# Altium PCB PCBV3.PcbDoc (continued)
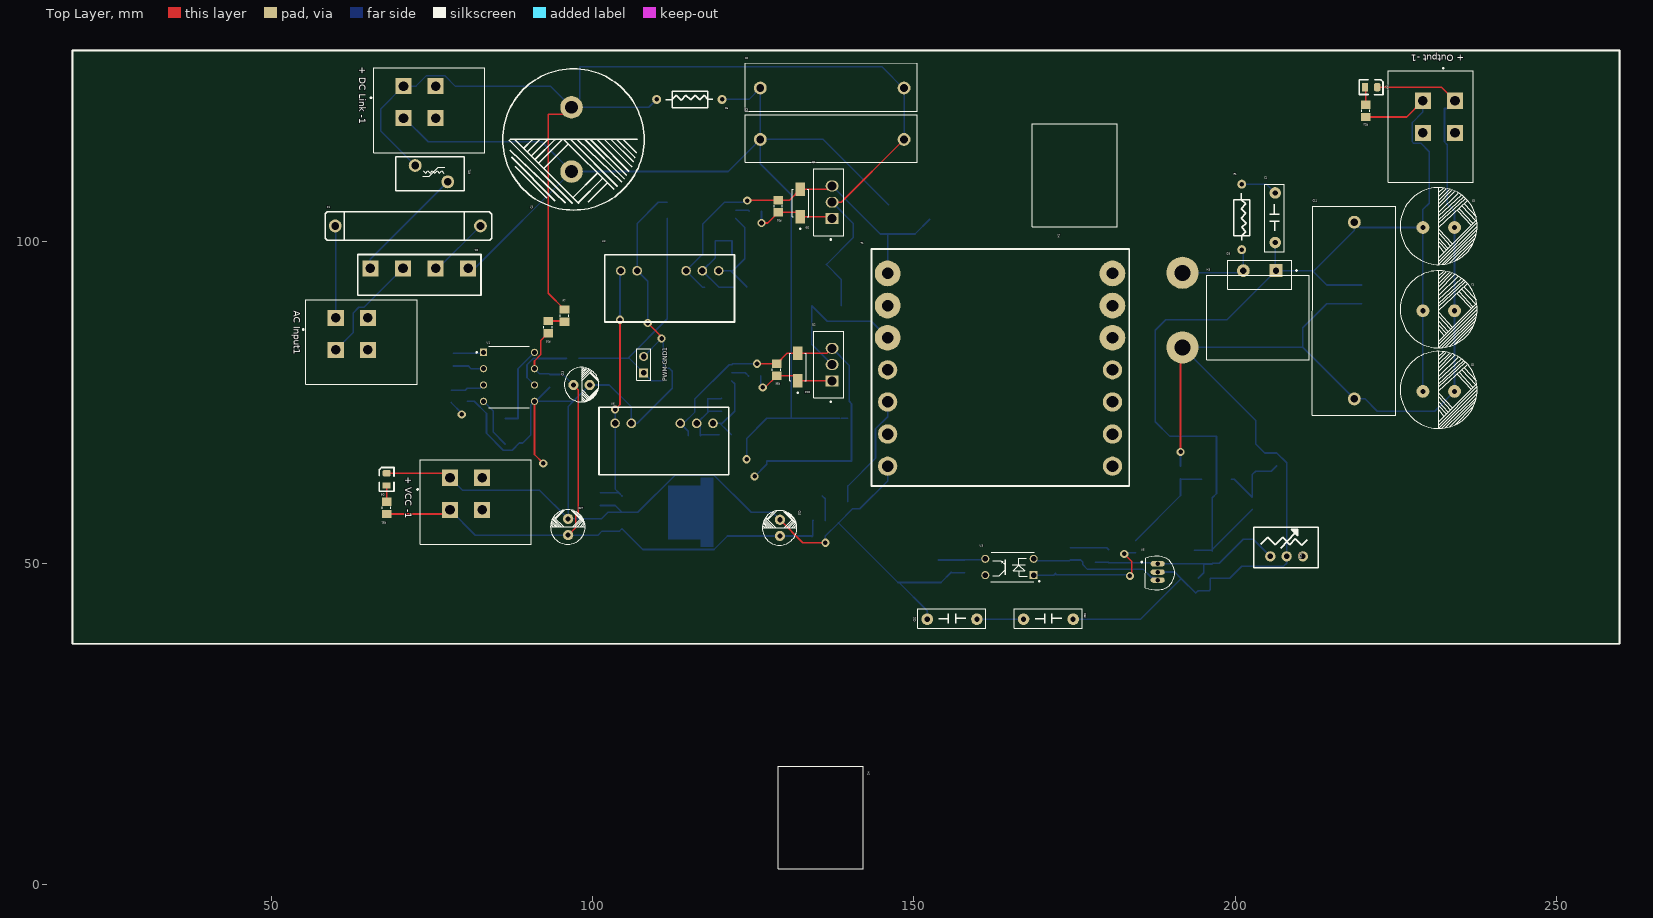
[diagram p0: Top Layer view]
## Footprints (in the part's own frame and the unit in brackets; to place one, negate y for a bottom-side part, rotate by r counter-clockwise, add the part's x,y. Pads: shape width x height; smd on the part's side, far side on the other; paste and mask are expansions set on the pad) (continued)
  rect 1x1 smd paste-1 mask+0: 2(4.4,-1)
  Top Layer region: 7.625,-5.4 5.715,-5.4 5.715,-4.165 0.635,-4.165 0.635,4.165 5.715,4.165 5.715,5.4 7.625,5.4
  silkscreen extent -8.72,-5.08 5.4,5.08, body extent -7.18,-5.08 7.18,5.08, height 4.65
"Linear Regulator Isolated Module DC-DC DIP 02" [mm]
  round 1.5 hole 1: 1(0,0) 2(2.54,0) 5(10.16,0) 6(12.7,0) 7(15.24,0)
  silkscreen extent -2.5,-7.98 17.7,2.52, body extent -2.3,-7.46 17.46,2.6, height 12.75
"MOSFET DIP TO-220" [mm]
  rect 1.7x2 hole 1.4: 1(-2.54,0)
  oval 1.7x2 hole 1.4: 2(0,0) 3(2.54,0)
  silkscreen extent -5.89,-1.81 5.18,2.89, body extent -5.16,-1.63 5,2.92, height 19.65
"NTC Thermistor DIP 01" [mm]
  round 2 hole 1.2: 1(-3.674,0) 2(1.397,-2.54)
  silkscreen extent -6.22,-3.94 4.45,1.4, body extent -5.64,-3.41 3.36,0.89, height 11.8
"Optoisolators DIP 01" [mm]
  rect 1.26x1.26 hole 0.84: 1(1.27,0)
  round 1.26 hole 0.84: 2(1.27,-2.54) 3(8.8,-2.54) 4(8.8,0)
  silkscreen extent 0.31,-3.56 7.95,1.07, body extent 1.13,-3.7 9.01,0.89, height 4.3
"Phoenix Contact 2x2 Male Straight" [mm]
  rect 2.5x2.5 hole 1.5: 1(3.825,-5.675) 2(3.825,-0.675) ""(-1.175,-0.675) ""(-1.175,-5.675)
  silkscreen extent -8.85,-8.5 8.97,4.7, body extent -8.62,-8.67 8.37,4.53, height 16.49
"PWM Controller UC3844 DIP 01" [mm]
  rect 1.13x1.13 hole 0.78: 1(-3.97,3.81)
  round 1.13 hole 0.78: 2(-3.97,1.27) 3(-3.97,-1.27) 4(-3.97,-3.81) 5(3.97,-3.81) 6(3.97,-1.27) 7(3.97,1.27) 8(3.97,3.81)
  silkscreen extent -5.13,-4.79 3.17,4.79, body extent -4.1,-4.54 4.1,5.05, height 5.08
"Resistor DIP 0.25W 01" [mm]
  round 1.4 hole 0.7: 1(-5.093,0) 2(5.093,0)
  silkscreen extent -3.7,-1.27 3.63,1.27, body extent -5.4,-1.16 5.37,1.16, height 2.93
"Resistor SMD 805" [mm]
  rect 1.3x1.5 smd: 1(-0.95,0) 2(0.95,0)
  silkscreen extent -0.15,-0.65 0.15,0.65, body extent -1,-0.62 1,0.62, height 0.6
"Resistor SMD 1206" [mm]
  rect 1.13x1.77 smd: 1(-1.47,0) 2(1.47,0)
  silkscreen extent -0.58,-0.88 0.58,0.88, body extent -1.63,-0.77 1.57,0.83, height 0.55
"Resistor SMD 1206 MELF 01" [mm]
  rect 1.3x1.5 smd: 1(-0.95,0) 2(0.95,0)
  silkscreen extent -0.15,-0.65 0.15,0.65, body extent -1.13,-0.58 1.07,0.52, height 1.1
"Resistor SMD 2512" [mm]
  rect 1.45x2.9 smd: 1(-3.325,0) 2(3.325,0)
  silkscreen extent -2.28,-1.6 2.28,1.6, body extent -3.23,-1.6 3.17,1.6, height 0.6
"Resistor Variable DIP 02" [mm]
  round 1.6 hole 0.85: 1(-2.54,0) 2(0,0) 3(2.54,0)
  silkscreen extent -5.08,-1.79 4.92,4.52, body extent -4.76,-1.9 4.76,4.19, height 12.56
"TL431 DIP" [mm]
  oval 0.85x2.2 hole 0.7: 1(-1.27,0) 2(0.025,0) 3(1.27,0)
  silkscreen extent -2.43,-2.59 2.78,2.68, body extent -2.41,-1.37 2.41,2.31, height 7.84
"Transformer EE42/21/20" [mm]
  round 4 hole 1.8: 1(0,0) 2(0,-10) ""(0,-5) ""(35,-10) ""(35,-5) ""(35,0)
  round 3 hole 1.8: 3(0,-20) 4(0,-30) ""(0,-25) ""(0,-15) ""(35,-15) ""(35,-30) ""(35,-25) ""(35,-20)
  round 5 hole 2.5: 5(45.9,0.1) 6(45.9,-11.5)
  silkscreen extent -2.5,-33.09 37.61,3.82, body extent -4.3,-38.9 37.9,3.3, height 33.24

## Part data
"+ DC Link -1" "+ Output -1" "+ VCC -1" "AC Input1" PWM-GND1: library part "Contact-Phoenix 2x", "Contact-Phoenix 2x", Color=Green, Current=15A, Current Rating=17.5A, Flammability Rating="UL94 V-0", Manufacturer="Phoenix Contact", Manufacturer Part Number=1715721, Max Current Rating=22A, Max Operating Temperature=100°C, Max Supply Voltage=250V, Min Operating Temperature=-20°C, Package Quantity=50, Supplier Part Number 1=277-1263-ND, Test Voltage=4kV, Voltage=300V, Voltage Rating=400V, Approvals=UL,CSA,cULus,EAC, Category="Terminal Blocks", ComponentLink1Description=https://datasheet.ciiva.com/16046/1715721-16046034.pdf?src-supplier=Onlinecomponents.com, ComponentLink1URL=https://datasheet.ciiva.com/16046/1715721-16046034.pdf?src-supplier=Onlinecomponents.com, ComponentLink2Description=https://datasheet.ciiva.com/1120/1697161-1120393.pdf?src-supplier=Farnell, ComponentLink2URL=https://datasheet.ciiva.com/1120/1697161-1120393.pdf?src-supplier=Farnell, ComponentLink3Description=https://datasheet.ciiva.com/15169/getdatasheetpartid-212174-15169929.pdf?src-supplier=Verical, ComponentLink3URL=https://datasheet.ciiva.com/15169/getdatasheetpartid-212174-15169929.pdf?src-supplier=Verical, ComponentLink4Description=https://datasheet.ciiva.com/832/1715721-832095.pdf?src-supplier=Digi-Key, ComponentLink4URL=https://datasheet.ciiva.com/832/1715721-832095.pdf?src-supplier=Digi-Key, Connector Type="Screw,Terminal Block,PCB", Contact Material=Tin, Depth=9.8mm, Height=17.3mm, Housing Color=Green, Housing Material=Polyamide, Insulation Material=Nylon, Lead Free="Lead Free", Length=10.16mm, Mount="Through Hole", Number of Circuits=2, Number of Contacts=2, Number of Levels=1, Number of Pins=2, Number of Poles=2, Number of Positions=2, Number of Positions Per Level=2, Number of Rows=1, Orientation=Straight, Packaging=Bulk, Pitch=5.08mm, Pricing 1="1=1.39000, 10=1.33400, 50=1.27600, 100=1.24120, 250=1.16000, 500=1.06720, 1000=0.98600, 2500=0.93960, 5000=0.89320 (USD)", Radiation Hardening=No, REACH SVHC="No SVHC", RoHS=Yes, RoHS Compliant=Yes, Series=MKDS, Stock 1=4962, Stripping Length=7mm, Supplier 1=Digi-Key, Termination=Screw, Voltage Rating (AC)=250V, Weight=0.103705oz, Width=17.3mm, Wire Gauge (Max)=26AWG, Wire Gauge (Min)=26AWG, Wire/Cable Gauge=14AWG
C1 C2 C3 C8 C9 C10 C11 C12 C14 C16 C17 C18 C19 C20 C21 C22 C23 C24 C25 C26 C28 C29 C30 C31 C32 C33 C34 C35 C36 C37: library part "Capacitors Non-Electrolytic", "Ceramic & Polyester Capacitor"
C4 C5 C6 C7 C13 C15 C27: library part "Capacitors Electrolytic", "Aluminum Electrolytic Capacitors", Package="Radial Nichicon", Supplier Part Number 1=1189-2012-ND, Availability=Unavailable, MF=Nichicon, MP=UVR2A471MHD, Price=None, SnapEDA_Link=https://www.snapeda.com/parts/UVR2A471MHD/Nichicon/view-part/2302933/?ref=snap, Supplier 1=Digi-Key
D1: library part "Single Phase Bridge Rectifier", "Bridge Rectifier Single Phase Standard", Supplier Part Number 1=6113720, DatasheetVersion=E2732B, LatestRevisionDate=29-May-2009, LatestRevisionNote="Sch pins A & K swapped.", PackageDescription="Bridge Rectifier; 4 Terminals; Body 9.4 x 9.4 mm (typ); Pitch 5.08 mm", PackageReference=D-38, Published=8-Jun-2000, Publisher="Altium Limited", Supplier 1="Future Electronics"
D2 D3 D4 D5: library part Diode, "Through Hole & SMD Diode", ComponentLink1Description="Manufacturer Link", ComponentLink1URL=http://www.irf.com/, DatasheetVersion=Aug-1984, LatestRevisionDate=17-Jul-2002, LatestRevisionNote="Re-released for DXP Platform.", PackageDescription="Diode, Axial; Body 9.5 x 5.3 mm (LxDia. max), Lead Dia. 1.32 mm (max)", PackageReference=DO-201AD, Published=8-Jun-2000, Publisher="Altium Limited"
D6 D9 D10: library part "Diode Zener", "Through Hole & SMD Zener Diode", ComponentLink1Description="Manufacturer Link", ComponentLink1URL=http://www.irf.com/, ComponentLink2Description=Datasheet, ComponentLink2URL=http://www.irf.com/product-info/datasheets/data/18tq.pdf, DatasheetVersion=Dec-1997, LatestRevisionDate=17-Jul-2002, LatestRevisionNote="Re-released for DXP Platform.", Note="Terminal 2 is the TAB and is electrically connected to the cathode", PackageDescription="TO, Thru-Hole, Vertical, Heatsink Mounted; 3 In-Line Leads (1 Absent); Pitch 2.54 mm", PackageReference=TO-220AC, PackageVersion=Feb-1998, Published=8-Jun-2000, Publisher="Altium Limited"
D7 D8: library part LED, "Typical RED, GREEN, YELLOW, AMBER GaAs LED", LatestRevisionDate=17-Jul-2002, LatestRevisionNote="Re-released for DXP Platform.", PackageDescription="SM LED; 2 Flat Leads", PackageReference=3.2X1.6X1.1, PackageVersion=Feb-2002, Published=8-Jun-2000, Publisher="Altium Limited"
F1: library part Fuse, "Fuse, Circuit Protection", Supplier Part Number 1=031501.2HXP-ND, LatestRevisionDate=17-Jul-2002, LatestRevisionNote="Re-released for DXP Platform.", PackageDescription="Thru-Hole; 2 Leads", PackageReference=PIN-W2/E2.8, Published=8-Jun-2000, Publisher="Altium Limited", Supplier 1=Digi-Key
H1 H2 H3: library part "Heat Sink", "Heat Sink TO-220 Aluminum 20.0W @ 60°C Board Level, Vertical", Package=None, Availability="In Stock", Check_prices=https://www.snapeda.com/parts/530002B02500G/Aavid+Thermalloy/view-part/?ref=eda, MF="Aavid Thermalloy", MP=530002B02500G, Price=None, Purchase-URL=https://pricing.snapeda.com/search/part/530002B02500G/?ref=eda, SnapEDA_Link=https://www.snapeda.com/parts/530002B02500G/Aavid+Thermalloy/view-part/?ref=snap
Q1 Q2: library part "Transistor MOSFET", "N-Channel MOSFET", Package="SC-59 ON Semiconductor", Availability=Good, Check_prices=https://www.snapeda.com/parts/FDN360P/ON%20Semiconductor/view-part/2105995/?ref=eda, MF="ON Semiconductor", MP=FDN360P, Price=None, Purchase-URL=https://pricing.snapeda.com/search/part/FDN360P/?ref=eda, SnapEDA_Link=https://www.snapeda.com/parts/FDN360P/ON%20Semiconductor/view-part/2105995/?ref=snap
Q3: library part "Transistor BJT", "NPN General Purpose BJT", ComponentLink1Description="Manufacturer Link", ComponentLink1URL=http://www.fairchildsemi.com/, ComponentLink2Description=Datasheet, ComponentLink2URL=http://www.fairchildsemi.com/ds/2N%2F2N3904.pdf, DatasheetVersion=1997, LatestRevisionDate=15-Jan-2003, LatestRevisionNote="PCB Footprint 'BCY-W3/D4.7' replaced", PackageDescription="TO, Flat Index; 3 In-Line, Axial Leads; Body Dia. 4.5mm; Leads 0.51 x 0.48 mm (max)", PackageReference=TO-92A, PackageVersion=Sep-1998, Published=8-Jun-2000, Publisher="Altium Limited"
R1 R2 R3 R4 R5 R6 R7 R8 R9 R10 R11 R12 R13 R14 R15 R16 R17 R18 R19 R20 R21 R22 R23 R24 R25 R26 R27 R29 R30 R31 R32 R33 R34 R35 R36: library part Resistor, "Through Hole & SMD", LatestRevisionDate=17-Jul-2002, LatestRevisionNote="Re-released for DXP Platform.", PackageDescription="Axial Device, Thru-Hole; 2 Leads; 0.3 in Pin Spacing", PackageReference=AXIAL-0.3, Published=8-Jun-2000, Publisher="Altium Limited"
R28: library part "Resistor Variable", "Trimmer Potentiometer Cermet Top Adjustment", Supplier Part Number 1=3252W-103LF-ND, LatestRevisionDate=17-Jul-2002, LatestRevisionNote="Re-released for DXP Platform.", PackageDescription="Axial Device, Thru-Hole; 2 Leads; 0.7 in Pin Spacing", PackageReference=AXIAL-0.7, Published=8-Jun-2000, Publisher="Altium Limited", Set Position=0.5, Supplier 1=Digi-Key
RT1: library part NTC, "NTC Thermistor", Supplier Part Number 1=495-76311-ND, Code_IPC=RESC2012, LatestRevisionDate=29-May-2009, LatestRevisionNote="IPC-7351 Footprint Added.", PackageDescription="Chip Resistor 0805 Case Size", PackageReference=6-0805, PackageVersion=Mar-2003, Published=24-Mar-1999, Publisher="Altium Limited", Supplier 1=Digi-Key
T1: library part "Transformer EE42/21/20", "Transformer (Ideal)", LatestRevisionDate=17-Jul-2002, LatestRevisionNote="Re-released for DXP Platform.", PackageDescription="Transformer; 8 Leads", PackageReference=TRF_8, Published=25-Jan-2001, Publisher="Altium Limited"
U1: library part "PWM Controller UC3844BN", "Off-Line Controllers 52kHz 1A Current PWM No-Cancel/No-Return", Manufacturer=STMicroelectronics, Supplier Part Number=511-UC3844BN, Category="Voltage Regulators - Switching", ComponentLink1Description=https://datasheet.ciiva.com/15108/getdatasheetpartid-119240-15108173.pdf?src-supplier=Verical, ComponentLink1URL=https://datasheet.ciiva.com/15108/getdatasheetpartid-119240-15108173.pdf?src-supplier=Verical, ComponentLink2Description=https://datasheet.ciiva.com/4875/cd00000966-105506-4875760.pdf?src-supplier=Mouser, ComponentLink2URL=https://datasheet.ciiva.com/4875/cd00000966-105506-4875760.pdf?src-supplier=Mouser, ComponentLink3Description=https://datasheet.ciiva.com/17091/0900766b80ed226c-17091155.pdf?src-supplier=Allied+Electronics, ComponentLink3URL=https://datasheet.ciiva.com/17091/0900766b80ed226c-17091155.pdf?src-supplier=Allied+Electronics, ComponentLink4Description=https://datasheet.ciiva.com/2015/cd00000966-2015458.pdf?src-supplier=Digikey, ComponentLink4URL=https://datasheet.ciiva.com/2015/cd00000966-2015458.pdf?src-supplier=Digikey, ComponentLink5Description=https://datasheet.ciiva.com/2015/cd00000966-2015459.pdf?src-supplier=Digikey, ComponentLink5URL=https://datasheet.ciiva.com/2015/cd00000966-2015459.pdf?src-supplier=Digikey, ComponentLink6Description=https://datasheet.ciiva.com/8197/cd00000966-8197558.pdf?src-supplier=Avnet, ComponentLink6URL=https://datasheet.ciiva.com/8197/cd00000966-8197558.pdf?src-supplier=Avnet, ComponentLink7Description=https://datasheet.ciiva.com/16361/cd00000966-16361433.pdf?src-supplier=Future+Electronics, ComponentLink7URL=https://datasheet.ciiva.com/16361/cd00000966-16361433.pdf?src-supplier=Future+Electronics, Manufacturer Part Number=UC3844BN, Pricing="1=0.71, 10=0.501, 50=0.501, 100=0.46, 1000=0.414, 10000=0.38 (USD)", RoHS=Yes, Stock=11981, Supplier=Mouser
U2 U6: library part "Linear Regulator Isolated Module MGJ", "Module DC-DC 12VIN 2-OUT 15V/-5V 0.08A/0.04A 2W 5-Pin SIP Module", Case/Package=SIP, Current - Output 1=80mA, Current - Output 2=40mA, Isolation Voltage=5.2kV, Manufacturer=Murata, Manufacturer Part Number=MGJ2D121505SC, Max Input Voltage=13.2V, Max Operating Temperature=100°C, Max Output Power=2W, Max Power Dissipation=1W, Min Input Voltage=10.8V, Min Operating Temperature=-40°C, Nominal Input Voltage=12V, Output Voltage=15V, Package Quantity=25, Supplier Part Number 1=580-MGJ2D122005SC, Voltage - Output 2=-5V, ComponentLink1Description=http://www.farnell.com/datasheets/1965123.pdf?src-supplier=Element14, ComponentLink1URL=http://www.farnell.com/datasheets/1965123.pdf?src-supplier=Element14, ComponentLink2Description=http://power.murata.com/data/power/ncl/kdc_mgj2.pdf?src-supplier=Avnet, ComponentLink2URL=http://power.murata.com/data/power/ncl/kdc_mgj2.pdf?src-supplier=Avnet, Depth=19.65mm, Efficiency=80%, Features=SCP, Height=0.5inch, Length=0.77inch, Max Input Voltage (DC)=13.2V, Max Output Current=40mA, Min Input Voltage (DC)=10.8V, Mount="Through Hole", Number of Outputs=2, Number of Pins=5, Output Current=80mA, Output Power=2W, Packaging=Rail/Tube, Pricing 1="1=8.46, 5=8.42, 10=8.36, 25=8.27, 50=8.06, 100=7.66, 250=7.17, 500=6.68, 1000=6.65 (USD)", Radiation Hardening=No, REACH SVHC="No SVHC", RoHS Compliant=Yes, Stock 1=0, Supplier 1=Mouser, Voltage - Output 1=15V, Weight=0.151678oz, Width=0.39inch
U3: library part Optoisolator, "Optoisolator Transistor Output 5000Vrms 1 Channel 4-DIP", Supplier Part Number 1=559-1070-ND, DatasheetVersion=Nov-2003, LatestRevisionDate=04-Mar-2005, LatestRevisionNote="Sch pins 3 & 4 Swapped.", PackageReference=DIP-4, Published=24-Mar-1999, Publisher="Altium Limited", Supplier 1=Digi-Key
U4: library part "Linear Regulator", "Voltage Regulators - Linear, Low Drop Out (LDO) Regulators", Case/Package=TO-252, Dropout Voltage=1.1V, Input Bias Current=5mA, Manufacturer=STMicroelectronics, Manufacturer Part Number=LD1117DT33, Max Input Voltage=15V, Max Operating Temperature=125°C, Max Output Current=800mA, Max Output Voltage=3.3V, Max Power Dissipation=12W, Min Input Voltage=5.3V, Min Operating Temperature=0°C, Min Supply Voltage=4.75V, Output Current=950mA, Output Voltage Accuracy=1%, Package Quantity=75, Quiescent Current=10mA, Supplier Part Number 1=511-LD1117DT33, Category="Voltage Regulators - Linear", ComponentLink1Description=https://datasheet.ciiva.com/2070/cd00000544-2070990.pdf?src-supplier=Digi-Key, ComponentLink1URL=https://datasheet.ciiva.com/2070/cd00000544-2070990.pdf?src-supplier=Digi-Key, Max Supply Voltage=15V, Mount="Surface Mount", Nominal Output Voltage=3.3V, Number of Outputs=1, Number of Pins=3, Number of Regulators=1, Output Type=Fixed, Output Voltage=3.3V, Packaging=Rail/Tube, Polarity=Positive, Power Dissipation=12W, REACH SVHC="No SVHC", RoHS=Yes, RoHS Compliant=Yes, Supplier 1=Mouser, Termination=SMD/SMT, Voltage=3.3V
U5: library part TL431, "Shunt Voltage Reference IC", Package="TO-92 Microsemi Corporation", Supplier Part Number 1=497-16221-ND, Availability=Unavailable, DigiKey-Purchase-URL=https://snapeda.com/shop?store=DigiKey&id=187631, MF="Microsemi Corporation", MP=TL431ILP, Price=None, SnapEDA_Link=https://www.snapeda.com/parts/TL431ILP/Microsemi%20Corporation/view-part/187631/?ref=snap, Supplier 1=Digi-Key
U7 U8: library part "Gate Driver IS341W", "Photocoupler is ideally suited for driving power IGBTs and MOSFETs", Manufacturer=Isocom, Manufacturer Part Number=IS341W, Supplier Part Number=IS341WCT-ND, ComponentLink1Description=http://isocom.com/wp-content/uploads/2017/08/DD93205_IS341W_17-01-17.pdf?src-supplier=Digikey, ComponentLink1URL=http://isocom.com/wp-content/uploads/2017/08/DD93205_IS341W_17-01-17.pdf?src-supplier=Digikey, Pricing="1=2.2, 10=1.429, 100=1.0327, 500=0.87664 (USD)", RoHS=Yes, Stock=232, Supplier=Digikey

## Via types
v1: diameter 1.27, hole 0.711, Top Layer to Bottom Layer, 16 vias

## Nets (pads, with @x,y where several pads share a name; then routed paths per layer and width w, separated by ;. In a path a pad name is that pad's centre, name@x,y a point inside that pad or via, vN(x,y) a via of type N, cw(c..) or ccw(c..) an arc to the next point about the centre after c; other vN are vias at no path point)
20V: C17.2 Q3.2 R18.1 | length 15.8
  Bottom Layer w0.254: R18.1 191.516,60.513 C17.2 191.588,63.053 Q3.2
GATE_B: D10.2 Q2.1 R35.1 R36.1 | length 13.8
  Top Layer w0.254: v1(126.492,77.343) 126.854,77.343 R36.1 131.201,79.14 D10.2 137.258,78.388 Q2.1
  Bottom Layer w0.254: R35.1@126.191,79.14 R35.1 126.172,77.663 v1(126.492,77.343)
GATE_T: D9.2 Q1.1 R33.1 R34.1 | length 13.9
  Top Layer w0.254: v1(126.299,102.936) 127.254,102.936 R34.1 131.662,104.587 D9.2 137.004,103.915 Q1.1
  Bottom Layer w0.254: v1(126.299,102.936) R33.1
GND: "+ Output -1.1" C5.2 C6.2 C7.2 C8.1 C9.1 C10.1 C11.1 C17.1 C18.1 C33.2 D6.1 D7.2 R3.2 R4.2 R5.2 R28.2 R29.2 T1.6 U5.2 | length 225.2
  Top Layer w0.254: v1(191.516,67.31) 191.516,83.283 T1.6 ; D7.2 232.123,124.079 234.235,121.967
  Bottom Layer w0.254: C33.2 185.293,41.275 191.516,47.498 191.709,47.498 ; U5.2 190.591,48.616 191.709,47.498 ; C17.1 v1(191.516,67.31) ; R3.2 R5.2 210.542,86.644 210.542,83.59 ; 234.235,121.967 233.038,120.77 232.604,120.77 232.604,115.559 233.038,115.125 C8.1 C9.1 C10.1 233.038,105.925 234.163,104.8 C5.2 C7.2 C6.2 231.089,73.66 222.123,73.66 220.218,75.565 C11.1 210.542,83.59 ; 191.709,47.498 193.868,45.339 194.249,45.72 195.961,45.72 196.149,45.908 R29.2 199.166,47.625 201.041,49.5 207.548,49.5 208.026,49.978 R28.2 208.026,65.623 C18.1 204.604,67.147 D6.1 203.2,72.213 T1.6 210.542,83.59
GND_ISO_B: C36.1 C37.1 D10.1 Q2.3 R13.2 R14.2 R15.2 R16.2 R17.1 R32.1 R36.2 U6.5 U8.4 | length 119.6
  Top Layer w0.254: v1(125.589,81.04) R36.2 130.259,82.648 D10.1 136.496,82.648 Q2.3
  Signal Layer 1 w0.254: v1(79.629,73.152) 79.629,72.644 88.773,63.5 v1(125.222,63.5)
  Bottom Layer w0.254: R17.1 79.629,73.345 v1(79.629,73.152) ; R32.1 114.874,70.546 U6.5 114.153,71.755 C36.1 115.931,75.559 C37.1 121.271,80.899 U8.4 121.803,81.04 v1(125.589,81.04) ; v1(125.222,63.5) 127.127,65.405 R14.2 R15.2 R16.2 R13.2 140.312,65.89 140.312,74.826 139.954,75.184 139.954,80.772 Q2.3
GND_ISO_T: C28.1 C30.1 D4.2 D9.1 Q1.3 R25.1 R34.2 T1.1 U2.5 U7.4 | length 60.4
  Top Layer w0.254: v1(124.079,106.426) 124.333,106.426 124.394,106.487 R34.2 130.646,106.487 D9.1 136.75,108.175 Q1.3
  Bottom Layer w0.254: C28.1@116.967,97.917 U2.5 117.094,92.964 R25.1 ; C28.1 C30.1 117.13,102.779 120.523,106.172 U7.4 124.079,106.172 v1(124.079,106.426) ; Q1.3 144.779,101.22 D4.2@146.051,101.22 ; T1.1 145.923,101.092 D4.2@146.051,101.22 ; D4.2@152.486,103.505 150.201,101.22 D4.2@146.051,101.22
ISENSE: C21.2 R17.2 U1.3 | length 5.4
  Bottom Layer w0.254: R17.2 80.204,76.896 C21.2 82.511,77.21 U1.3
"NetAC Input1_1": "AC Input1.1" F1.1 | length 14.3
  Bottom Layer w0.254: F1.1 60.024,102.409 60.024,88.185
"NetAC Input1_2": "AC Input1.2" D1.2 | length 17.5
  Bottom Layer w0.254: 60.024,83.185 62.738,85.899 62.738,88.938 63.616,89.816 64.416,89.816 D1.2
NetC1_2: C1.2 R1.1 | length 5.8
  Bottom Layer w0.254: R1.1 204.889,108.979 C1.2
NetC16_2: C16.2 R8.2 U1.1 | length 4.7
  Bottom Layer w0.254: C16.2 82.892,82.671 U1.1
NetC18_2: C18.2 D6.2 Q3.1 R9.2 | length 12.4
  Bottom Layer w0.254: Q3.1 199.898,63.053 R9.2 202.692,63.783 D6.2 205.636,64.291 C18.2
NetC19_2: C19.2 R12.1 U1.4 | length 8.1
  Bottom Layer w0.254: U1.4 84.521,73.688 R12.1 84.521,70.419 C19.2@86.426,68.514
NetC22_1: C22.1 C23.1 C28.2 C30.2 R19.1 R25.2 U2.6 | length 16.2
  Bottom Layer w0.254: C23.1 C22.1 C30.2 C28.2 119.12,97.53 U2.6 119.634,92.964 R19.1
NetC24_1: C24.1 C26.1 R20.2 R21.2 R28.1 R29.1 U5.1 | length 33.9
  Bottom Layer w0.254: C24.1 180.249,50.165 C26.1 187.797,50.074 U5.1 196.276,49.911 R20.2@196.34,49.847 ; R29.1 195.118,48.494 195.118,49.845 196.469,49.845 R20.2 197.551,49.977 201.295,53.721 202.819,53.721 R28.1
NetC24_2: C24.2 R22.2 R26.1 U3.2 U5.3 | length 21
  Bottom Layer w0.254: U3.2 168.976,50.353 R22.2 174.224,50.353 R26.1 175.962,50.485 C24.2 176.282,49.778 177.038,49.022 185.739,49.022 186.951,47.81 187.521,47.81 U5.3
NetC26_2: C26.2 R26.2 | length 6.1
  Bottom Layer w0.254: R26.2 180.019,52.385 C26.2
NetC31_1: C31.1 R23.2 R27.1 U3.3 | length 7.4
  Bottom Layer w0.254: R23.2 R27.1 157.906,50.48 C31.1 160.963,50.51 U3.3
NetC32_2: C32.2 C33.1 | length 7.3
  Bottom Layer w0.254: C32.2 C33.1
NetC34_1: C34.1 C35.1 C36.2 C37.2 R30.1 R32.2 U6.6 | length 14.4
  Bottom Layer w0.254: R30.1 116.901,69.977 R32.2 116.774,71.186 U6.6 C36.2@118.11,73.66 ; C34.1 C36.2@118.11,73.66 ; C35.1 120.001,75.565 C37.2 117.921,75.559 C36.2 118.048,73.66 C36.2@118.11,73.66
NetD1_1: D1.1 F1.2 | length 9.7
  Bottom Layer w0.254: D1.1 75.94,95.885 F1.2
NetD1_4: D1.4 RT1.1 | length 18.8
  Bottom Layer w0.254: D1.4 65.405,97.291 RT1.1 RT1.1@77.724,109.084
NetD2_1: D2.1 Q2.2 T1.2 | length 24.3
  Bottom Layer w0.254: Q2.2 134.113,84.073 D2.1 136.527,87.63 143.383,87.63 T1.2
NetD3_1: D3.1 R1.2 T1.5 | length 13
  Bottom Layer w0.254: T1.5 200.961,95.19 D3.1 201.295,98.539 R1.2
NetD5_1: D5.1 T1.3 | length 18.1
  Bottom Layer w0.254: D5.1@139.745,59.532 139.745,61.372 139.745,62.021 144.042,66.318 144.042,70.908 145.923,72.789 T1.3
NetD5_2: D5.2 R6.1 | length 4
  Bottom Layer w0.254: D5.2 136.205,60.01 R6.1
NetD7_1: D7.1 R24.2 | length 2.8
  Top Layer w0.254: D7.1 220.345,123.957 R24.2
NetD8_1: D8.1 R31.2 | length 2.5
  Top Layer w0.254: R31.2 D8.1
NetR7_2: R7.2 R10.1 | length 2.6
  Top Layer w0.254: R10.1 95.509,87.691 R7.2
NetR11_1: R11.1 U1.6 | length 10.2
  Bottom Layer w0.254: U1.6 89.789,78.9 89.789,80.899 90.748,81.858 95.894,81.858 R11.1
NetR18_2: R18.2 R22.1 U3.1 | length 21.7
  Top Layer w0.254: v1(182.753,51.435) 183.896,50.292 183.896,48.006 v1(183.642,48.006)
  Bottom Layer w0.254: U3.1 171.765,48.133 R22.1 172.085,48.199 183.703,48.199 183.703,48.067 v1(183.642,48.006) ; v1(182.753,51.435) 182.946,51.628 R18.2
NetR33_2: R33.2 U7.5 | length 2.2
  Bottom Layer w0.254: U7.5 124.272,104.902 R33.2
NetR35_2: R35.2 U8.5 | length 2.8
  Bottom Layer w0.254: U8.5 123.764,79.629 R35.2
PGND: "+ DC Link -1.2" "+ VCC -1.1" C2.1 C3.1 C4.2 C12.1 C13.2 C14.1 C15.2 C19.1 C20.1 C21.1 C25.1 C27.2 C29.1 C31.2 C32.1 D1.3 D4.1 D8.2 PWM-GND1.2 R2.2 R13.1 R14.1 R15.1 R16.1 R27.2 T1.4 U1.5 U2.2 U4.2 U6.2 U7.3 U8.3 | length 470.5
  Top Layer w0.254: D8.2 77.108,63.989 77.804,63.293 ; U1.5 90.965,66.896 v1(92.329,65.532) ; v1(108.585,87.376) 110.744,85.217 v1(110.744,84.963) ; C15.2 132.736,53.177 v1(136.235,53.177)
  Signal Layer 1 w0.254: v1(92.329,65.532) 92.329,65.659 92.71,66.04 123.848,66.04 v1(123.975,66.167)
  Bottom Layer w0.254: 70.565,119.253 70.739,119.253 74.422,115.57 92.104,115.57 C4.2 ; 77.804,63.293 79.756,61.341 91.744,61.341 C27.2 ; C21.1 81.57,75.22 83.49,73.3 83.49,70.222 86.121,67.591 87.494,67.591 C19.1 89.154,68.707 90.388,69.941 C20.1 90.388,74.607 U1.5 U1.5@91.15,75.184 ; D1.3 81.657,95.885 C4.2 ; C14.1 U1.5@91.15,75.184 ; C25.1 103.528,58.964 U4.2@104.58,57.912 ; PWM-GND1.2 v1(110.744,84.963) 111.002,84.705 U8.3 111.596,80.305 111.973,80.305 112.395,79.883 112.395,77.216 106.934,71.755 U6.2 106.045,74.295 102.616,77.724 C13.2 97.013,75.184 ; v1(108.585,87.376) 108.585,93.853 U2.2 106.934,102.87 110.236,106.172 U7.3 ; R2.2 124.333,122.174 C2.1 C3.1 ; v1@123.825,66.017 v1(123.975,66.167) 123.975,69.388 R14.1 R15.1 ; C15.2 128.001,57.912 124.689,57.912 118.908,63.693 112.837,63.693 107.056,57.912 U4.2@104.58,57.912 ; v1(136.235,53.177) C12.1 138.267,56.261 ; R13.1 R16.1 R15.1 ; R13.1@138.683,72.54 R13.1@139.723,72.54 ; T1.4 145.923,62.789 141.59,58.456 140.462,58.456 138.267,56.261 ; D4.1 135.89,115.951 C3.1 ; C32.1 152.095,42.596 147.701,46.99 ; C31.2 155.889,48.52 R27.2 154.239,46.99 147.701,46.99 ; U1.5@91.15,75.184 97.013,75.184 ; C27.2 96.196,74.367 97.013,75.184 ; C27.2 101.381,56.889 C29.1 102.404,57.912 U4.2@104.58,57.912 ; C4.2 121.111,110.951 C3.1 ; C3.1 126.111,112.141 130.937,107.315 R15.1 ; 138.267,56.261 147.538,46.99 147.701,46.99
PWM: PWM-GND1.1 R11.2 U7.1 U8.1 | length 38.8
  Bottom Layer w0.254: R11.2 105.664,81.915 ; U8.1 109.22,78.359 108.077,79.502 105.664,81.915 ; U7.1 111.637,88.015 105.664,82.042 105.664,81.915
VCC: "+ VCC -1.2" C12.2 C13.1 C14.2 C15.1 C27.1 C29.2 R6.2 R10.2 R31.1 U1.7 U4.1 | length 111.3
  Top Layer w0.254: R31.1 77.155,57.644 77.804,58.293 ; U1.7 90.965,81.466 91.911,82.412 91.911,84.611 R10.2 ; C27.1 97.377,55.544 97.377,57.378 97.79,57.791 97.79,76.962 C13.1
  Bottom Layer w0.254: 77.804,58.293 81.734,54.363 C27.1 100.845,54.363 C29.2 104.199,54.991 U4.1 107.821,52.131 118.908,52.131 121.006,54.229 C15.1 C12.2 ; U1.7 91.734,79.495 93.219,79.495 C14.2 95.383,79.369 C13.1 ; C12.2@134.119,54.103 C12.2 ; R6.2 134.245,56.582 C12.2
VCC_ISO_B: C34.2 C35.2 R30.2 U6.7 U8.6 | length 11.6
  Bottom Layer w0.254: U6.7 119.822,71.755 ; R30.2 121.6,70.016 120.508,71.108 120.469,71.108 119.822,71.755 ; U8.6 122.118,77.903 C35.2 122.112,75.686 C34.2 120.207,71.755 119.822,71.755
VCC_ISO_T: C22.2 C23.2 R19.2 U2.7 U7.6 | length 15.2
  Bottom Layer w0.254: U2.7 121.512,95.504 121.666,95.35 ; U7.6 123.692,102.237 C22.2 C23.2 123.692,97.376 121.666,95.35 ; R19.2 124.013,93.003 121.666,95.35
VCC_LR: C25.2 U2.1 U4.3 U6.1 | length 38.7
  Top Layer w0.254: v1(103.505,73.914) 104.267,74.676 v1(104.267,87.884)
  Bottom Layer w0.254: C25.2 U4.3@104.078,60.954 ; v1(103.505,73.914) U6.1 103.505,61.527 U4.3@104.078,60.954 ; v1(104.267,87.884) 104.267,95.377 U2.1 ; U4.3 U4.3@104.078,60.954
VDCLINK: "+ DC Link -1.1" C2.2 C3.2 C4.1 D2.2 Q1.2 R2.1 R7.1 RT1.2 | length 196.2
  Top Layer w0.254: R7.1 93.091,92.009 93.091,119.859 95.631,119.859 C4.1 ; Q1.2 138.707,106.172 C3.2
  Bottom Layer w0.254: RT1.2 67.056,117.221 67.056,120.744 70.565,124.253 72.526,124.253 74.157,125.884 76.973,125.884 78.604,124.253 93.421,124.253 C4.1 ; R2.1 108.746,120.951 C4.1 ; Q1.2 140.589,102.87 140.589,100.67 136.398,96.479 138.683,94.194 D2.2@138.683,90.044 ; C3.2 148.486,123.802 145.034,127.254 98.021,127.254 98.021,122.249 C4.1
VFB: C16.1 R8.1 R23.1 U1.2 | length 4.9
  Bottom Layer w0.254: C16.1 80.615,80.681 R8.1 81.092,80.264 U1.2
Vout: "+ Output -1.2" C1.1 C5.1 C6.1 C7.1 C8.2 C9.2 C10.2 C11.2 D3.2 Q3.3 R3.1 R4.1 R5.1 R9.1 R20.1 R21.1 R24.1 | length 175.1
  Top Layer w0.254: R24.1 226.714,119.446 229.235,121.967
  Bottom Layer w0.254: R21.1 196.342,52.004 R20.1 R20.1@196.469,52.136 ; R9.1 R20.1@196.469,52.136 ; C1.1 206.248,95.651 D3.2 ; R3.1 R5.1 212.163,95.377 ; C6.1 C7.1 C5.1 ; 229.235,121.967 229.235,120.229 227.604,118.598 227.604,115.559 227.827,115.336 228.948,115.336 C8.2 C9.2 C10.2 230.238,106.032 229.235,105.029 C5.1 ; R20.1@196.469,52.136 196.469,60.198 197.104,60.833 Q3.3 189.865,69.723 187.579,72.009 187.579,86.233 189.23,87.884 198.735,87.884 D3.2 ; D3.2 212.016,95.524 212.163,95.377 ; 212.163,95.377 218.567,101.781 C11.2 219.397,102.235 C5.1
VREF: C20.2 R12.2 U1.8 U3.4 | length 13.3
  Bottom Layer w0.254: R12.2 86.435,72.517 C20.2 88.398,80.237 U1.8
pads on no net: "+ DC Link -1." "+ Output -1." "+ VCC -1." "AC Input1." R28.3 T1. U7.2 U8.2

## Silkscreen, mask and mechanical layers (free items; w line width, h text height)
Top Overlay:
  the board outline again, w0.254